# Altium PCB rev3.PcbDoc (part 2 of 7)
Units mil, origin at the board's own origin, x right, y up, seen from the top; angles counter-clockwise.
Board outline 1000 x 800 mil, 2 copper layers (Top Layer, Bottom Layer); 273 components, 16 nets, 2912 pads, 0 vias.
Unrouted connection lines stored in the file: 16.
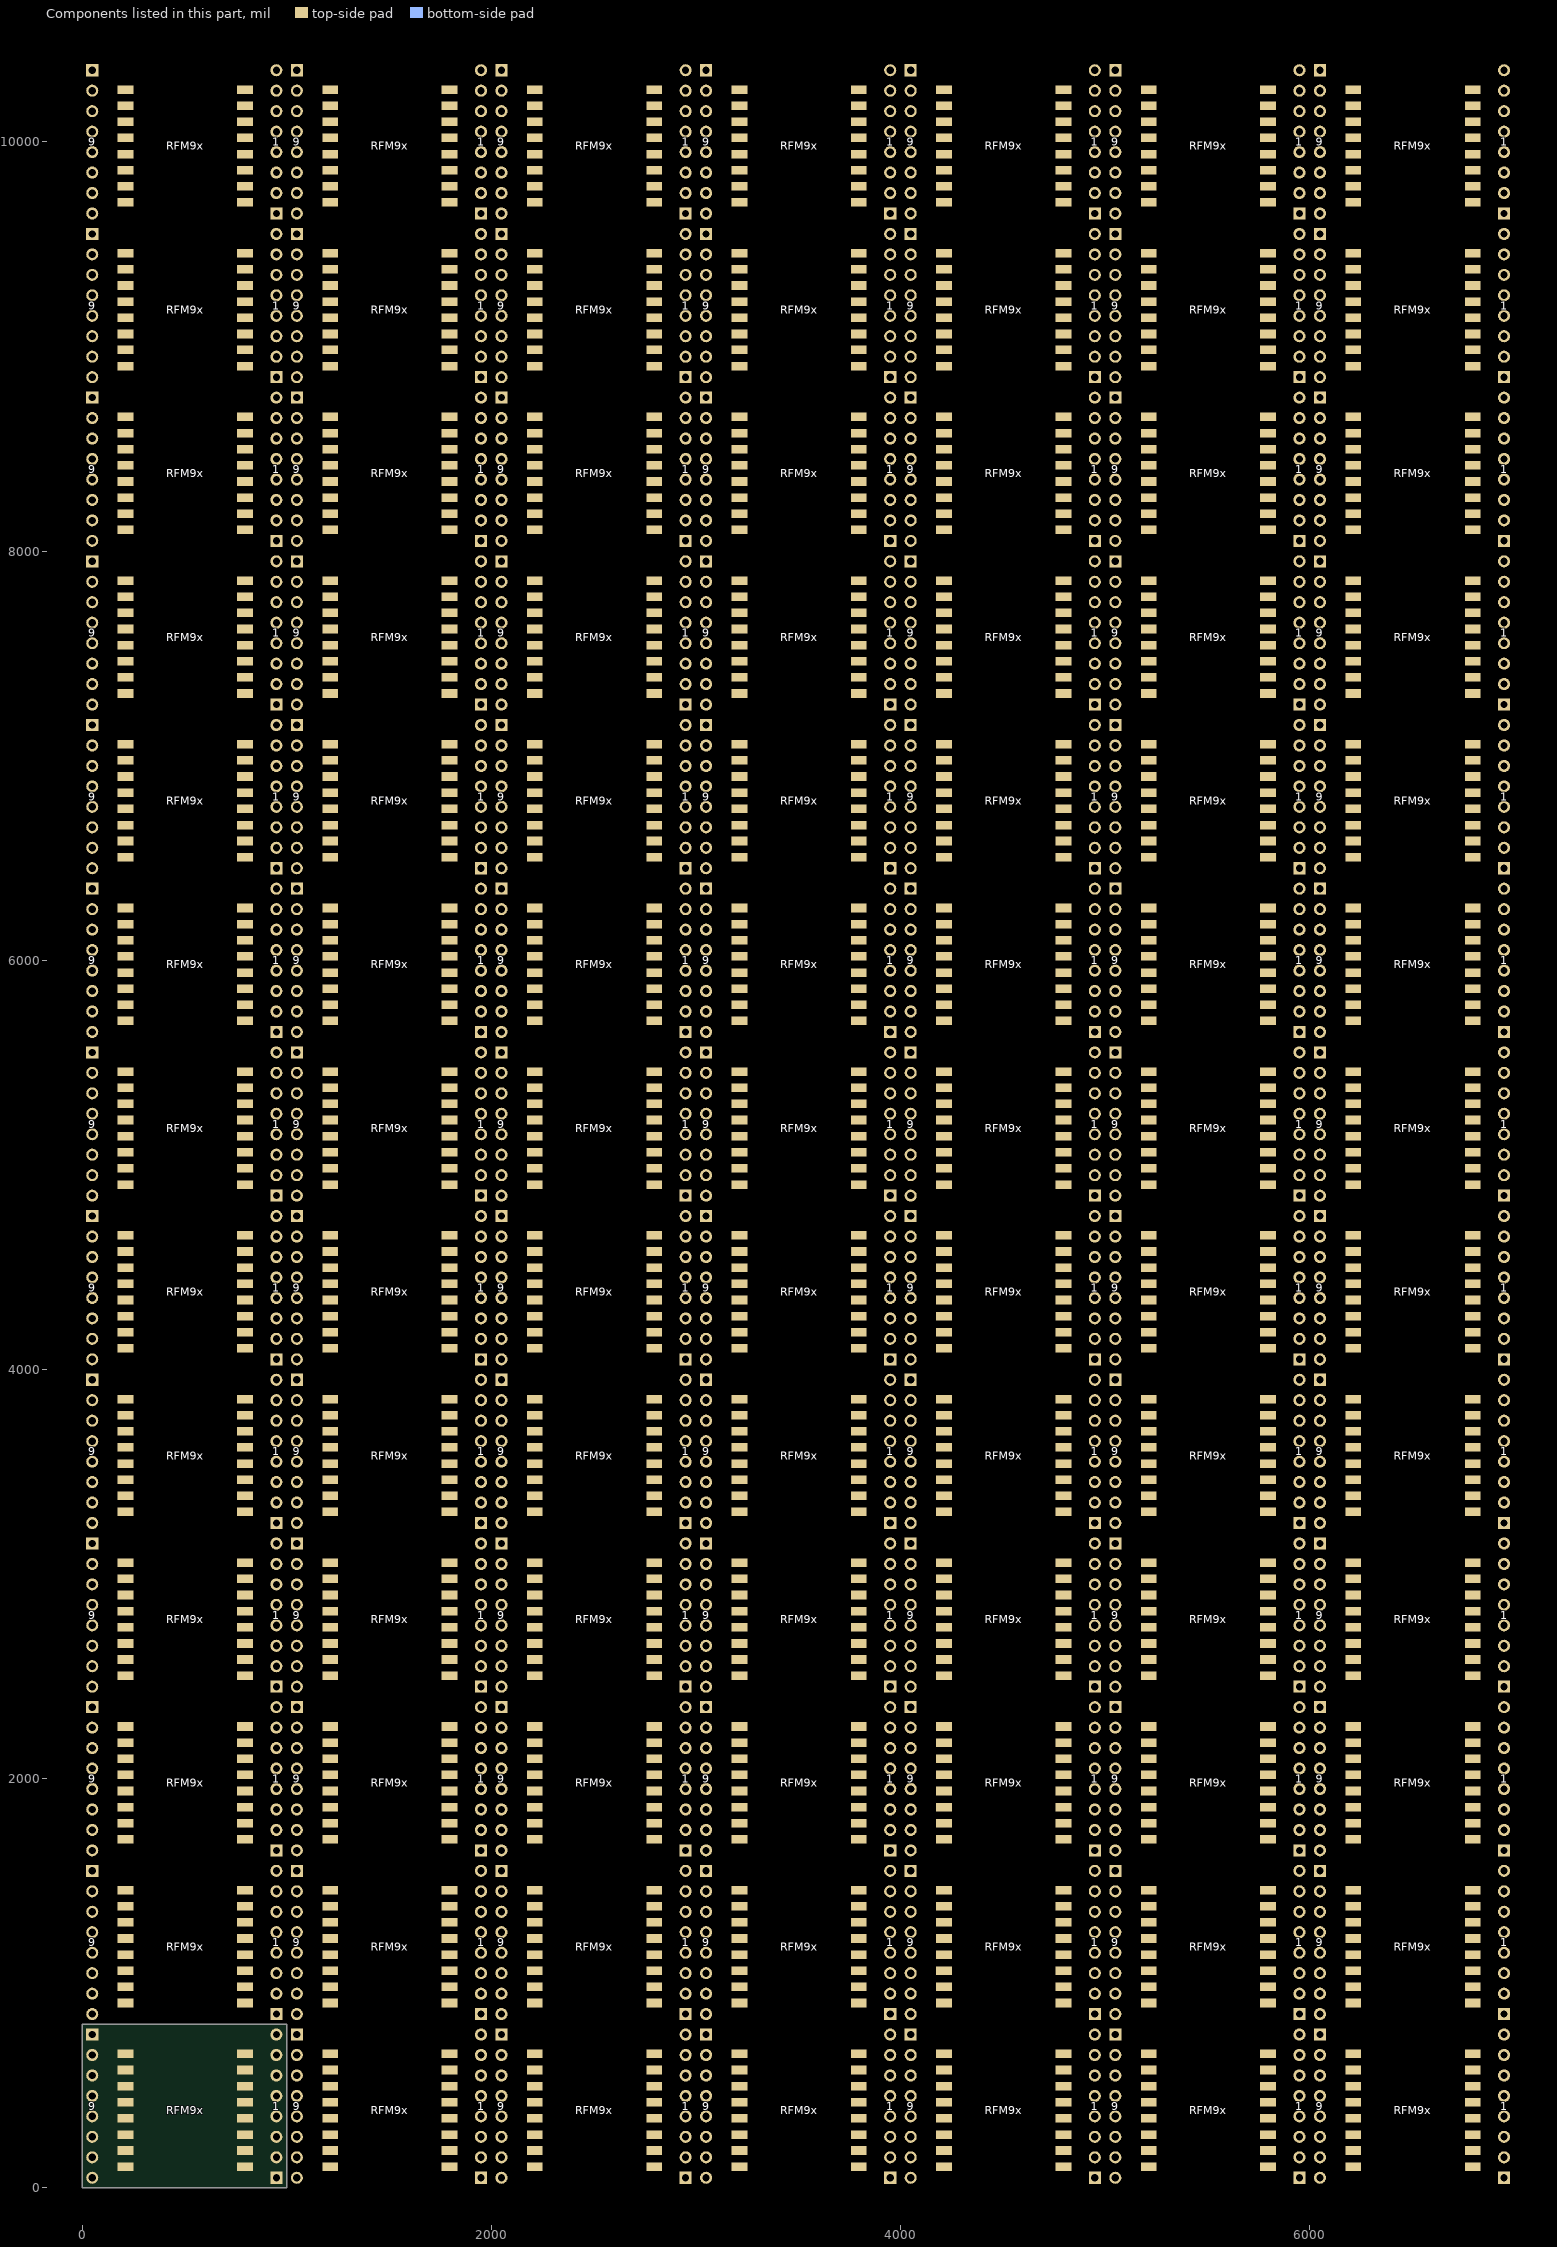
[diagram p2: the components of this part, seen from the top]

## Nets (pads, with @x,y where several pads share a name; then routed paths per layer and width w, separated by ;. In a path a pad name is that pad's centre, name@x,y a point inside that pad or via, vN(x,y) a via of type N, cw(c..) or ccw(c..) an arc to the next point about the centre after c; other vN are vias at no path point) (continued)
pads on no net: 1.1@950,850 1.1@950,1650 1.1@950,2450 1.1@950,3250 1.1@950,4050 1.1@950,4850 1.1@950,5650 1.1@950,6450 1.1@950,7250 1.1@950,8050 1.1@950,8850 1.1@950,9650 1.1@1950,50 1.1@1950,850 1.1@1950,1650 1.1@1950,2450 1.1@1950,3250 1.1@1950,4050 1.1@1950,4850 1.1@1950,5650 1.1@1950,6450 1.1@1950,7250 1.1@1950,8050 1.1@1950,8850 1.1@1950,9650 1.1@2950,50 1.1@2950,850 1.1@2950,1650 1.1@2950,2450 1.1@2950,3250 1.1@2950,4050 1.1@2950,4850 1.1@2950,5650 1.1@2950,6450 1.1@2950,7250 1.1@2950,8050 1.1@2950,8850 1.1@2950,9650 1.1@3950,50 1.1@3950,850 1.1@3950,1650 1.1@3950,2450 1.1@3950,3250 1.1@3950,4050 1.1@3950,4850 1.1@3950,5650 1.1@3950,6450 1.1@3950,7250 1.1@3950,8050 1.1@3950,8850 1.1@3950,9650 1.1@4950,50 1.1@4950,850 1.1@4950,1650 1.1@4950,2450 1.1@4950,3250 1.1@4950,4050 1.1@4950,4850 1.1@4950,5650 1.1@4950,6450 1.1@4950,7250 1.1@4950,8050 1.1@4950,8850 1.1@4950,9650 1.1@5950,50 1.1@5950,850 1.1@5950,1650 1.1@5950,2450 1.1@5950,3250 1.1@5950,4050 1.1@5950,4850 1.1@5950,5650 1.1@5950,6450 1.1@5950,7250 1.1@5950,8050 1.1@5950,8850 1.1@5950,9650 1.1@6950,50 1.1@6950,850 1.1@6950,1650 1.1@6950,2450 1.1@6950,3250 1.1@6950,4050 1.1@6950,4850 1.1@6950,5650 1.1@6950,6450 1.1@6950,7250 1.1@6950,8050 1.1@6950,8850 1.1@6950,9650 1.2@950,950 1.2@950,1750 1.2@950,2550 1.2@950,3350 1.2@950,4150 1.2@950,4950 1.2@950,5750 1.2@950,6550 1.2@950,7350 1.2@950,8150 1.2@950,8950 1.2@950,9750 1.2@1950,150 1.2@1950,950 1.2@1950,1750 1.2@1950,2550 1.2@1950,3350 1.2@1950,4150 1.2@1950,4950 1.2@1950,5750 1.2@1950,6550 1.2@1950,7350 1.2@1950,8150 1.2@1950,8950 1.2@1950,9750 1.2@2950,150 1.2@2950,950 1.2@2950,1750 1.2@2950,2550 1.2@2950,3350 1.2@2950,4150 1.2@2950,4950 1.2@2950,5750 1.2@2950,6550 1.2@2950,7350 1.2@2950,8150 1.2@2950,8950 1.2@2950,9750 1.2@3950,150 1.2@3950,950 1.2@3950,1750 1.2@3950,2550 1.2@3950,3350 1.2@3950,4150 1.2@3950,4950 1.2@3950,5750 1.2@3950,6550 1.2@3950,7350 1.2@3950,8150 1.2@3950,8950 1.2@3950,9750 1.2@4950,150 1.2@4950,950 1.2@4950,1750 1.2@4950,2550 1.2@4950,3350 1.2@4950,4150 1.2@4950,4950 1.2@4950,5750 1.2@4950,6550 1.2@4950,7350 1.2@4950,8150 1.2@4950,8950 1.2@4950,9750 1.2@5950,150 1.2@5950,950 1.2@5950,1750 1.2@5950,2550 1.2@5950,3350 1.2@5950,4150 1.2@5950,4950 1.2@5950,5750 1.2@5950,6550 1.2@5950,7350 1.2@5950,8150 1.2@5950,8950 1.2@5950,9750 1.2@6950,150 1.2@6950,950 1.2@6950,1750 1.2@6950,2550 1.2@6950,3350 1.2@6950,4150 1.2@6950,4950 1.2@6950,5750 1.2@6950,6550 1.2@6950,7350 1.2@6950,8150 1.2@6950,8950 1.2@6950,9750 1.3@950,1050 1.3@950,1850 1.3@950,2650 1.3@950,3450 1.3@950,4250 1.3@950,5050 1.3@950,5850 1.3@950,6650 1.3@950,7450 1.3@950,8250 1.3@950,9050 1.3@950,9850 1.3@1950,250 1.3@1950,1050 1.3@1950,1850 1.3@1950,2650 1.3@1950,3450 1.3@1950,4250 1.3@1950,5050 1.3@1950,5850 1.3@1950,6650 1.3@1950,7450 1.3@1950,8250 1.3@1950,9050 1.3@1950,9850 1.3@2950,250 1.3@2950,1050 1.3@2950,1850 1.3@2950,2650 1.3@2950,3450 1.3@2950,4250 1.3@2950,5050 1.3@2950,5850 1.3@2950,6650 1.3@2950,7450 1.3@2950,8250 1.3@2950,9050 1.3@2950,9850 1.3@3950,250 1.3@3950,1050 1.3@3950,1850 1.3@3950,2650 1.3@3950,3450 1.3@3950,4250 1.3@3950,5050 1.3@3950,5850 1.3@3950,6650 1.3@3950,7450 1.3@3950,8250 1.3@3950,9050 1.3@3950,9850 1.3@4950,250 1.3@4950,1050 1.3@4950,1850 1.3@4950,2650 1.3@4950,3450 1.3@4950,4250 1.3@4950,5050 1.3@4950,5850 1.3@4950,6650 1.3@4950,7450 1.3@4950,8250 1.3@4950,9050 1.3@4950,9850 1.3@5950,250 1.3@5950,1050 1.3@5950,1850 1.3@5950,2650 1.3@5950,3450 1.3@5950,4250 1.3@5950,5050 1.3@5950,5850 1.3@5950,6650 1.3@5950,7450 1.3@5950,8250 1.3@5950,9050 1.3@5950,9850 1.3@6950,250 1.3@6950,1050 1.3@6950,1850 1.3@6950,2650 1.3@6950,3450 1.3@6950,4250 1.3@6950,5050 1.3@6950,5850 1.3@6950,6650 1.3@6950,7450 1.3@6950,8250 1.3@6950,9050 1.3@6950,9850 1.4@950,1150 1.4@950,1950 1.4@950,2750 1.4@950,3550 1.4@950,4350 1.4@950,5150 1.4@950,5950 1.4@950,6750 1.4@950,7550 1.4@950,8350 1.4@950,9150 1.4@950,9950 1.4@1950,350 1.4@1950,1150 1.4@1950,1950 1.4@1950,2750 1.4@1950,3550 1.4@1950,4350 1.4@1950,5150 1.4@1950,5950 1.4@1950,6750 1.4@1950,7550 1.4@1950,8350 1.4@1950,9150 1.4@1950,9950 1.4@2950,350 1.4@2950,1150 1.4@2950,1950 1.4@2950,2750 1.4@2950,3550 1.4@2950,4350 1.4@2950,5150 1.4@2950,5950 1.4@2950,6750 1.4@2950,7550 1.4@2950,8350 1.4@2950,9150 1.4@2950,9950 1.4@3950,350 1.4@3950,1150 1.4@3950,1950 1.4@3950,2750 1.4@3950,3550 1.4@3950,4350 1.4@3950,5150 1.4@3950,5950 1.4@3950,6750 1.4@3950,7550 1.4@3950,8350 1.4@3950,9150 1.4@3950,9950 1.4@4950,350 1.4@4950,1150 1.4@4950,1950 1.4@4950,2750 1.4@4950,3550 1.4@4950,4350 1.4@4950,5150 1.4@4950,5950 1.4@4950,6750 1.4@4950,7550 1.4@4950,8350 1.4@4950,9150 1.4@4950,9950 1.4@5950,350 1.4@5950,1150 1.4@5950,1950 1.4@5950,2750 1.4@5950,3550 1.4@5950,4350 1.4@5950,5150 1.4@5950,5950 1.4@5950,6750 1.4@5950,7550 1.4@5950,8350 1.4@5950,9150 1.4@5950,9950 1.4@6950,350 1.4@6950,1150 1.4@6950,1950 1.4@6950,2750 1.4@6950,3550 1.4@6950,4350 1.4@6950,5150 1.4@6950,5950 1.4@6950,6750 1.4@6950,7550 1.4@6950,8350 1.4@6950,9150 1.4@6950,9950 1.5@950,1250 1.5@950,2050 1.5@950,2850 1.5@950,3650 1.5@950,4450 1.5@950,5250 1.5@950,6050 1.5@950,6850 1.5@950,7650 1.5@950,8450 1.5@950,9250 1.5@950,10050 1.5@1950,450 1.5@1950,1250 1.5@1950,2050 1.5@1950,2850 1.5@1950,3650 1.5@1950,4450 1.5@1950,5250 1.5@1950,6050 1.5@1950,6850 1.5@1950,7650 1.5@1950,8450 1.5@1950,9250 1.5@1950,10050 1.5@2950,450 1.5@2950,1250 1.5@2950,2050 1.5@2950,2850 1.5@2950,3650 1.5@2950,4450 1.5@2950,5250 1.5@2950,6050 1.5@2950,6850 1.5@2950,7650 1.5@2950,8450 1.5@2950,9250 1.5@2950,10050 1.5@3950,450 1.5@3950,1250 1.5@3950,2050 1.5@3950,2850 1.5@3950,3650 1.5@3950,4450 1.5@3950,5250 1.5@3950,6050 1.5@3950,6850 1.5@3950,7650 1.5@3950,8450 1.5@3950,9250 1.5@3950,10050 1.5@4950,450 1.5@4950,1250 1.5@4950,2050 1.5@4950,2850 1.5@4950,3650 1.5@4950,4450 1.5@4950,5250 1.5@4950,6050 1.5@4950,6850 1.5@4950,7650 1.5@4950,8450 1.5@4950,9250 1.5@4950,10050 1.5@5950,450 1.5@5950,1250 1.5@5950,2050 1.5@5950,2850 1.5@5950,3650 1.5@5950,4450 1.5@5950,5250 1.5@5950,6050 1.5@5950,6850 1.5@5950,7650 1.5@5950,8450 1.5@5950,9250 1.5@5950,10050 1.5@6950,450 1.5@6950,1250 1.5@6950,2050 1.5@6950,2850 1.5@6950,3650 1.5@6950,4450 1.5@6950,5250 1.5@6950,6050 1.5@6950,6850 1.5@6950,7650 1.5@6950,8450 1.5@6950,9250 1.5@6950,10050 1.6@950,1350 1.6@950,2150 1.6@950,2950 1.6@950,3750 1.6@950,4550 1.6@950,5350 1.6@950,6150 1.6@950,6950 1.6@950,7750 1.6@950,8550 1.6@950,9350 1.6@950,10150 1.6@1950,550 1.6@1950,1350 1.6@1950,2150 1.6@1950,2950 1.6@1950,3750 1.6@1950,4550 1.6@1950,5350 1.6@1950,6150 1.6@1950,6950 1.6@1950,7750 1.6@1950,8550 1.6@1950,9350 1.6@1950,10150 1.6@2950,550 1.6@2950,1350 1.6@2950,2150 1.6@2950,2950 1.6@2950,3750 1.6@2950,4550 1.6@2950,5350 1.6@2950,6150 1.6@2950,6950 1.6@2950,7750 1.6@2950,8550 1.6@2950,9350 1.6@2950,10150 1.6@3950,550 1.6@3950,1350 1.6@3950,2150 1.6@3950,2950 1.6@3950,3750 1.6@3950,4550 1.6@3950,5350 1.6@3950,6150 1.6@3950,6950 1.6@3950,7750 1.6@3950,8550 1.6@3950,9350 1.6@3950,10150 1.6@4950,550 1.6@4950,1350 1.6@4950,2150 1.6@4950,2950 1.6@4950,3750 1.6@4950,4550 1.6@4950,5350 1.6@4950,6150 1.6@4950,6950 1.6@4950,7750 1.6@4950,8550 1.6@4950,9350 1.6@4950,10150 1.6@5950,550 1.6@5950,1350 1.6@5950,2150 1.6@5950,2950 1.6@5950,3750 1.6@5950,4550 1.6@5950,5350 1.6@5950,6150 1.6@5950,6950 1.6@5950,7750 1.6@5950,8550 1.6@5950,9350 1.6@5950,10150 1.6@6950,550 1.6@6950,1350 1.6@6950,2150 1.6@6950,2950 1.6@6950,3750 1.6@6950,4550 1.6@6950,5350 1.6@6950,6150 1.6@6950,6950 1.6@6950,7750 1.6@6950,8550 1.6@6950,9350 1.6@6950,10150 1.7@950,1450 1.7@950,2250 1.7@950,3050 1.7@950,3850 1.7@950,4650 1.7@950,5450 1.7@950,6250 1.7@950,7050 1.7@950,7850 1.7@950,8650 1.7@950,9450 1.7@950,10250 1.7@1950,650 1.7@1950,1450 1.7@1950,2250 1.7@1950,3050 1.7@1950,3850 1.7@1950,4650 1.7@1950,5450 1.7@1950,6250 1.7@1950,7050 1.7@1950,7850 1.7@1950,8650 1.7@1950,9450 1.7@1950,10250 1.7@2950,650 1.7@2950,1450 1.7@2950,2250 1.7@2950,3050 1.7@2950,3850 1.7@2950,4650 1.7@2950,5450 1.7@2950,6250 1.7@2950,7050 1.7@2950,7850 1.7@2950,8650 1.7@2950,9450 1.7@2950,10250 1.7@3950,650 1.7@3950,1450 1.7@3950,2250 1.7@3950,3050 1.7@3950,3850 1.7@3950,4650 1.7@3950,5450 1.7@3950,6250 1.7@3950,7050 1.7@3950,7850 1.7@3950,8650 1.7@3950,9450 1.7@3950,10250 1.7@4950,650 1.7@4950,1450 1.7@4950,2250 1.7@4950,3050 1.7@4950,3850 1.7@4950,4650 1.7@4950,5450 1.7@4950,6250 1.7@4950,7050 1.7@4950,7850 1.7@4950,8650 1.7@4950,9450 1.7@4950,10250 1.7@5950,650 1.7@5950,1450 1.7@5950,2250 1.7@5950,3050 1.7@5950,3850 1.7@5950,4650 1.7@5950,5450 1.7@5950,6250 1.7@5950,7050 1.7@5950,7850 1.7@5950,8650 1.7@5950,9450 1.7@5950,10250 1.7@6950,650 1.7@6950,1450 1.7@6950,2250 1.7@6950,3050 1.7@6950,3850 1.7@6950,4650 1.7@6950,5450 1.7@6950,6250 1.7@6950,7050 1.7@6950,7850 1.7@6950,8650 1.7@6950,9450 1.7@6950,10250 1.8@950,1550 1.8@950,2350 1.8@950,3150 1.8@950,3950 1.8@950,4750 1.8@950,5550 1.8@950,6350 1.8@950,7150 1.8@950,7950 1.8@950,8750 1.8@950,9550 1.8@950,10350 1.8@1950,750 1.8@1950,1550 1.8@1950,2350 1.8@1950,3150 1.8@1950,3950 1.8@1950,4750 1.8@1950,5550 1.8@1950,6350 1.8@1950,7150 1.8@1950,7950 1.8@1950,8750 1.8@1950,9550 1.8@1950,10350 1.8@2950,750 1.8@2950,1550 1.8@2950,2350 1.8@2950,3150 1.8@2950,3950 1.8@2950,4750 1.8@2950,5550 1.8@2950,6350 1.8@2950,7150 1.8@2950,7950 1.8@2950,8750 1.8@2950,9550 1.8@2950,10350 1.8@3950,750 1.8@3950,1550 1.8@3950,2350 1.8@3950,3150 1.8@3950,3950 1.8@3950,4750 1.8@3950,5550 1.8@3950,6350 1.8@3950,7150 1.8@3950,7950 1.8@3950,8750 1.8@3950,9550 1.8@3950,10350 1.8@4950,750 1.8@4950,1550 1.8@4950,2350 1.8@4950,3150 1.8@4950,3950 1.8@4950,4750 1.8@4950,5550 1.8@4950,6350 1.8@4950,7150 1.8@4950,7950 1.8@4950,8750 1.8@4950,9550 1.8@4950,10350 1.8@5950,750 1.8@5950,1550 1.8@5950,2350 1.8@5950,3150 1.8@5950,3950 1.8@5950,4750 1.8@5950,5550 1.8@5950,6350 1.8@5950,7150 1.8@5950,7950 1.8@5950,8750 1.8@5950,9550 1.8@5950,10350 1.8@6950,750 1.8@6950,1550 1.8@6950,2350 1.8@6950,3150 1.8@6950,3950 1.8@6950,4750 1.8@6950,5550 1.8@6950,6350 1.8@6950,7150 1.8@6950,7950 1.8@6950,8750 1.8@6950,9550 1.8@6950,10350 9.1@50,1550 9.1@50,2350 9.1@50,3150 9.1@50,3950 9.1@50,4750 9.1@50,5550 9.1@50,6350 9.1@50,7150 9.1@50,7950 9.1@50,8750 9.1@50,9550 9.1@50,10350 9.1@1050,750 9.1@1050,1550 9.1@1050,2350 9.1@1050,3150 9.1@1050,3950 9.1@1050,4750 9.1@1050,5550 9.1@1050,6350 9.1@1050,7150 9.1@1050,7950 9.1@1050,8750 9.1@1050,9550 9.1@1050,10350 9.1@2050,750 9.1@2050,1550 9.1@2050,2350 9.1@2050,3150 9.1@2050,3950 9.1@2050,4750 9.1@2050,5550 9.1@2050,6350 9.1@2050,7150 9.1@2050,7950 9.1@2050,8750 9.1@2050,9550 9.1@2050,10350 9.1@3050,750 9.1@3050,1550 9.1@3050,2350 9.1@3050,3150 9.1@3050,3950 9.1@3050,4750 9.1@3050,5550 9.1@3050,6350 9.1@3050,7150 9.1@3050,7950 9.1@3050,8750 9.1@3050,9550 9.1@3050,10350 9.1@4050,750 9.1@4050,1550 9.1@4050,2350 9.1@4050,3150 9.1@4050,3950 9.1@4050,4750 9.1@4050,5550 9.1@4050,6350 9.1@4050,7150 9.1@4050,7950 9.1@4050,8750 9.1@4050,9550 9.1@4050,10350 9.1@5050,750 9.1@5050,1550 9.1@5050,2350 9.1@5050,3150 9.1@5050,3950 9.1@5050,4750 9.1@5050,5550 9.1@5050,6350 9.1@5050,7150 9.1@5050,7950 9.1@5050,8750 9.1@5050,9550 9.1@5050,10350 9.1@6050,750 9.1@6050,1550 9.1@6050,2350 9.1@6050,3150 9.1@6050,3950 9.1@6050,4750 9.1@6050,5550 9.1@6050,6350 9.1@6050,7150 9.1@6050,7950 9.1@6050,8750 9.1@6050,9550 9.1@6050,10350 9.2@50,1450 9.2@50,2250 9.2@50,3050 9.2@50,3850 9.2@50,4650 9.2@50,5450 9.2@50,6250 9.2@50,7050 9.2@50,7850 9.2@50,8650 9.2@50,9450 9.2@50,10250 9.2@1050,650 9.2@1050,1450 9.2@1050,2250 9.2@1050,3050 9.2@1050,3850 9.2@1050,4650 9.2@1050,5450 9.2@1050,6250 9.2@1050,7050 9.2@1050,7850 9.2@1050,8650 9.2@1050,9450 9.2@1050,10250 9.2@2050,650 9.2@2050,1450 9.2@2050,2250 9.2@2050,3050 9.2@2050,3850 9.2@2050,4650 9.2@2050,5450 9.2@2050,6250 9.2@2050,7050 9.2@2050,7850 9.2@2050,8650 9.2@2050,9450 9.2@2050,10250 9.2@3050,650 9.2@3050,1450 9.2@3050,2250 9.2@3050,3050 9.2@3050,3850 9.2@3050,4650 9.2@3050,5450 9.2@3050,6250 9.2@3050,7050 9.2@3050,7850 9.2@3050,8650 9.2@3050,9450 9.2@3050,10250 9.2@4050,650 9.2@4050,1450 9.2@4050,2250 9.2@4050,3050 9.2@4050,3850 9.2@4050,4650 9.2@4050,5450 9.2@4050,6250 9.2@4050,7050 9.2@4050,7850 9.2@4050,8650 9.2@4050,9450 9.2@4050,10250 9.2@5050,650 9.2@5050,1450 9.2@5050,2250 9.2@5050,3050 9.2@5050,3850 9.2@5050,4650 9.2@5050,5450 9.2@5050,6250 9.2@5050,7050 9.2@5050,7850 9.2@5050,8650 9.2@5050,9450 9.2@5050,10250 9.2@6050,650 9.2@6050,1450 9.2@6050,2250 9.2@6050,3050 9.2@6050,3850 9.2@6050,4650 9.2@6050,5450 9.2@6050,6250 9.2@6050,7050 9.2@6050,7850 9.2@6050,8650 9.2@6050,9450 9.2@6050,10250 9.3@50,1350 9.3@50,2150 9.3@50,2950 9.3@50,3750 9.3@50,4550 9.3@50,5350 9.3@50,6150 9.3@50,6950 9.3@50,7750 9.3@50,8550 9.3@50,9350 9.3@50,10150 9.3@1050,550 9.3@1050,1350 9.3@1050,2150 9.3@1050,2950 9.3@1050,3750 9.3@1050,4550 9.3@1050,5350 9.3@1050,6150 9.3@1050,6950 9.3@1050,7750 9.3@1050,8550 9.3@1050,9350 9.3@1050,10150 9.3@2050,550 9.3@2050,1350 9.3@2050,2150 9.3@2050,2950 9.3@2050,3750 9.3@2050,4550 9.3@2050,5350 9.3@2050,6150 9.3@2050,6950 9.3@2050,7750 9.3@2050,8550 9.3@2050,9350 9.3@2050,10150 9.3@3050,550 9.3@3050,1350 9.3@3050,2150 9.3@3050,2950 9.3@3050,3750 9.3@3050,4550 9.3@3050,5350 9.3@3050,6150 9.3@3050,6950 9.3@3050,7750 9.3@3050,8550 9.3@3050,9350 9.3@3050,10150 9.3@4050,550 9.3@4050,1350 9.3@4050,2150 9.3@4050,2950 9.3@4050,3750 9.3@4050,4550 9.3@4050,5350 9.3@4050,6150 9.3@4050,6950 9.3@4050,7750 9.3@4050,8550 9.3@4050,9350 9.3@4050,10150 9.3@5050,550 9.3@5050,1350 9.3@5050,2150 9.3@5050,2950 9.3@5050,3750 9.3@5050,4550 9.3@5050,5350 9.3@5050,6150 9.3@5050,6950 9.3@5050,7750 9.3@5050,8550 9.3@5050,9350 9.3@5050,10150 9.3@6050,550 9.3@6050,1350 9.3@6050,2150 9.3@6050,2950 9.3@6050,3750 9.3@6050,4550 9.3@6050,5350 9.3@6050,6150 9.3@6050,6950 9.3@6050,7750 9.3@6050,8550 9.3@6050,9350 9.3@6050,10150 9.4@50,1250 9.4@50,2050 9.4@50,2850 9.4@50,3650 9.4@50,4450 9.4@50,5250 9.4@50,6050 9.4@50,6850 9.4@50,7650 9.4@50,8450 9.4@50,9250 9.4@50,10050 9.4@1050,450 9.4@1050,1250 9.4@1050,2050 9.4@1050,2850 9.4@1050,3650 9.4@1050,4450 9.4@1050,5250 9.4@1050,6050 9.4@1050,6850 9.4@1050,7650 9.4@1050,8450 9.4@1050,9250 9.4@1050,10050 9.4@2050,450 9.4@2050,1250 9.4@2050,2050 9.4@2050,2850 9.4@2050,3650 9.4@2050,4450 9.4@2050,5250 9.4@2050,6050 9.4@2050,6850 9.4@2050,7650 9.4@2050,8450 9.4@2050,9250 9.4@2050,10050 9.4@3050,450 9.4@3050,1250 9.4@3050,2050 9.4@3050,2850 9.4@3050,3650 9.4@3050,4450 9.4@3050,5250 9.4@3050,6050 9.4@3050,6850 9.4@3050,7650 9.4@3050,8450 9.4@3050,9250 9.4@3050,10050 9.4@4050,450 9.4@4050,1250 9.4@4050,2050 9.4@4050,2850 9.4@4050,3650 9.4@4050,4450 9.4@4050,5250 9.4@4050,6050 9.4@4050,6850 9.4@4050,7650 9.4@4050,8450 9.4@4050,9250 9.4@4050,10050 9.4@5050,450 9.4@5050,1250 9.4@5050,2050 9.4@5050,2850 9.4@5050,3650 9.4@5050,4450 9.4@5050,5250 9.4@5050,6050 9.4@5050,6850 9.4@5050,7650 9.4@5050,8450 9.4@5050,9250 9.4@5050,10050 9.4@6050,450 9.4@6050,1250 9.4@6050,2050 9.4@6050,2850 9.4@6050,3650 9.4@6050,4450 9.4@6050,5250 9.4@6050,6050 9.4@6050,6850 9.4@6050,7650 9.4@6050,8450 9.4@6050,9250 9.4@6050,10050 9.5@50,1150 9.5@50,1950 9.5@50,2750 9.5@50,3550 9.5@50,4350 9.5@50,5150 9.5@50,5950 9.5@50,6750 9.5@50,7550 9.5@50,8350 9.5@50,9150 9.5@50,9950 9.5@1050,350 9.5@1050,1150 9.5@1050,1950 9.5@1050,2750 9.5@1050,3550 9.5@1050,4350 9.5@1050,5150 9.5@1050,5950 9.5@1050,6750 9.5@1050,7550 9.5@1050,8350 9.5@1050,9150 9.5@1050,9950 9.5@2050,350 9.5@2050,1150 9.5@2050,1950 9.5@2050,2750 9.5@2050,3550 9.5@2050,4350 9.5@2050,5150 9.5@2050,5950 9.5@2050,6750 9.5@2050,7550 9.5@2050,8350 9.5@2050,9150 9.5@2050,9950 9.5@3050,350 9.5@3050,1150 9.5@3050,1950 9.5@3050,2750 9.5@3050,3550 9.5@3050,4350 9.5@3050,5150 9.5@3050,5950 9.5@3050,6750 9.5@3050,7550 9.5@3050,8350 9.5@3050,9150 9.5@3050,9950 9.5@4050,350 9.5@4050,1150 9.5@4050,1950 9.5@4050,2750 9.5@4050,3550 9.5@4050,4350 9.5@4050,5150 9.5@4050,5950 9.5@4050,6750 9.5@4050,7550 9.5@4050,8350 9.5@4050,9150 9.5@4050,9950 9.5@5050,350 9.5@5050,1150 9.5@5050,1950 9.5@5050,2750 9.5@5050,3550 9.5@5050,4350 9.5@5050,5150 9.5@5050,5950 9.5@5050,6750 9.5@5050,7550 9.5@5050,8350 9.5@5050,9150 9.5@5050,9950 9.5@6050,350 9.5@6050,1150 9.5@6050,1950 9.5@6050,2750 9.5@6050,3550 9.5@6050,4350 9.5@6050,5150 9.5@6050,5950 9.5@6050,6750 9.5@6050,7550 9.5@6050,8350 9.5@6050,9150 9.5@6050,9950 9.6@50,1050 9.6@50,1850 9.6@50,2650 9.6@50,3450 9.6@50,4250 9.6@50,5050 9.6@50,5850 9.6@50,6650 9.6@50,7450 9.6@50,8250 9.6@50,9050 9.6@50,9850 9.6@1050,250 9.6@1050,1050 9.6@1050,1850 9.6@1050,2650 9.6@1050,3450 9.6@1050,4250 9.6@1050,5050 9.6@1050,5850 9.6@1050,6650 9.6@1050,7450 9.6@1050,8250 9.6@1050,9050 9.6@1050,9850 9.6@2050,250 9.6@2050,1050 9.6@2050,1850 9.6@2050,2650 9.6@2050,3450 9.6@2050,4250 9.6@2050,5050 9.6@2050,5850 9.6@2050,6650 9.6@2050,7450 9.6@2050,8250 9.6@2050,9050 9.6@2050,9850 9.6@3050,250 9.6@3050,1050 9.6@3050,1850 9.6@3050,2650 9.6@3050,3450 9.6@3050,4250 9.6@3050,5050 9.6@3050,5850 9.6@3050,6650 9.6@3050,7450 9.6@3050,8250 9.6@3050,9050 9.6@3050,9850 9.6@4050,250 9.6@4050,1050 9.6@4050,1850 9.6@4050,2650 9.6@4050,3450 9.6@4050,4250 9.6@4050,5050 9.6@4050,5850 9.6@4050,6650 9.6@4050,7450 9.6@4050,8250 9.6@4050,9050 9.6@4050,9850 9.6@5050,250 9.6@5050,1050 9.6@5050,1850 9.6@5050,2650 9.6@5050,3450 9.6@5050,4250 9.6@5050,5050 9.6@5050,5850 9.6@5050,6650 9.6@5050,7450 9.6@5050,8250 9.6@5050,9050 9.6@5050,9850 9.6@6050,250 9.6@6050,1050 9.6@6050,1850 9.6@6050,2650 9.6@6050,3450 9.6@6050,4250 9.6@6050,5050 9.6@6050,5850 9.6@6050,6650 9.6@6050,7450 9.6@6050,8250 9.6@6050,9050 9.6@6050,9850 9.7@50,950 9.7@50,1750 9.7@50,2550 9.7@50,3350 9.7@50,4150 9.7@50,4950 9.7@50,5750 9.7@50,6550 9.7@50,7350 9.7@50,8150 9.7@50,8950 9.7@50,9750 9.7@1050,150 9.7@1050,950 9.7@1050,1750 9.7@1050,2550 9.7@1050,3350 9.7@1050,4150 9.7@1050,4950 9.7@1050,5750 9.7@1050,6550 9.7@1050,7350 9.7@1050,8150 9.7@1050,8950 9.7@1050,9750 9.7@2050,150 9.7@2050,950 9.7@2050,1750 9.7@2050,2550 9.7@2050,3350 9.7@2050,4150 9.7@2050,4950 9.7@2050,5750 9.7@2050,6550 9.7@2050,7350 9.7@2050,8150 9.7@2050,8950 9.7@2050,9750 9.7@3050,150 9.7@3050,950 9.7@3050,1750 9.7@3050,2550 9.7@3050,3350 9.7@3050,4150 9.7@3050,4950 9.7@3050,5750 9.7@3050,6550 9.7@3050,7350 9.7@3050,8150 9.7@3050,8950 9.7@3050,9750 9.7@4050,150 9.7@4050,950 9.7@4050,1750 9.7@4050,2550 9.7@4050,3350 9.7@4050,4150 9.7@4050,4950 9.7@4050,5750 9.7@4050,6550 9.7@4050,7350 9.7@4050,8150 9.7@4050,8950 9.7@4050,9750 9.7@5050,150 9.7@5050,950 9.7@5050,1750 9.7@5050,2550 9.7@5050,3350 9.7@5050,4150 9.7@5050,4950 9.7@5050,5750 9.7@5050,6550 9.7@5050,7350 9.7@5050,8150 9.7@5050,8950 9.7@5050,9750 9.7@6050,150 9.7@6050,950 9.7@6050,1750 9.7@6050,2550 9.7@6050,3350 9.7@6050,4150 9.7@6050,4950 9.7@6050,5750 9.7@6050,6550 9.7@6050,7350 9.7@6050,8150 9.7@6050,8950 9.7@6050,9750 9.8@50,850 9.8@50,1650 9.8@50,2450 9.8@50,3250 9.8@50,4050 9.8@50,4850 9.8@50,5650 9.8@50,6450 9.8@50,7250 9.8@50,8050 9.8@50,8850 9.8@50,9650 9.8@1050,50 9.8@1050,850 9.8@1050,1650 9.8@1050,2450 9.8@1050,3250 9.8@1050,4050 9.8@1050,4850 9.8@1050,5650 9.8@1050,6450 9.8@1050,7250 9.8@1050,8050 9.8@1050,8850 9.8@1050,9650 9.8@2050,50 9.8@2050,850 9.8@2050,1650 9.8@2050,2450 9.8@2050,3250 9.8@2050,4050 9.8@2050,4850 9.8@2050,5650 9.8@2050,6450 9.8@2050,7250 9.8@2050,8050 9.8@2050,8850 9.8@2050,9650 9.8@3050,50 9.8@3050,850 9.8@3050,1650 9.8@3050,2450 9.8@3050,3250 9.8@3050,4050 9.8@3050,4850 9.8@3050,5650 9.8@3050,6450 9.8@3050,7250 9.8@3050,8050 9.8@3050,8850 9.8@3050,9650 9.8@4050,50 9.8@4050,850 9.8@4050,1650 9.8@4050,2450 9.8@4050,3250 9.8@4050,4050 9.8@4050,4850 9.8@4050,5650 9.8@4050,6450 9.8@4050,7250 9.8@4050,8050 9.8@4050,8850 9.8@4050,9650 9.8@5050,50 9.8@5050,850 9.8@5050,1650 9.8@5050,2450 9.8@5050,3250 9.8@5050,4050 9.8@5050,4850 9.8@5050,5650 9.8@5050,6450 9.8@5050,7250 9.8@5050,8050 9.8@5050,8850 9.8@5050,9650 9.8@6050,50 9.8@6050,850 9.8@6050,1650 9.8@6050,2450 9.8@6050,3250 9.8@6050,4050 9.8@6050,4850 9.8@6050,5650 9.8@6050,6450 9.8@6050,7250 9.8@6050,8050 9.8@6050,8850 9.8@6050,9650 RFM9x.1@796.34,904 RFM9x.1@796.34,1704 RFM9x.1@796.34,2504 RFM9x.1@796.34,3304 RFM9x.1@796.34,4104 RFM9x.1@796.34,4904 RFM9x.1@796.34,5704 RFM9x.1@796.34,6504 RFM9x.1@796.34,7304 RFM9x.1@796.34,8104 